# Altium PCB Mixed Signal Board Project.PcbDoc (part 1 of 3)
Units mm, origin at the board's own origin, x right, y up, seen from the top; angles counter-clockwise.
Board outline 80.01 x 80.01 mm, 4 copper layers (Top Layer1, Layer 1, Layer 2, Bottom Layer), stack 1.371 mm thick; 190 components, 145 nets, 742 pads, 573 vias.
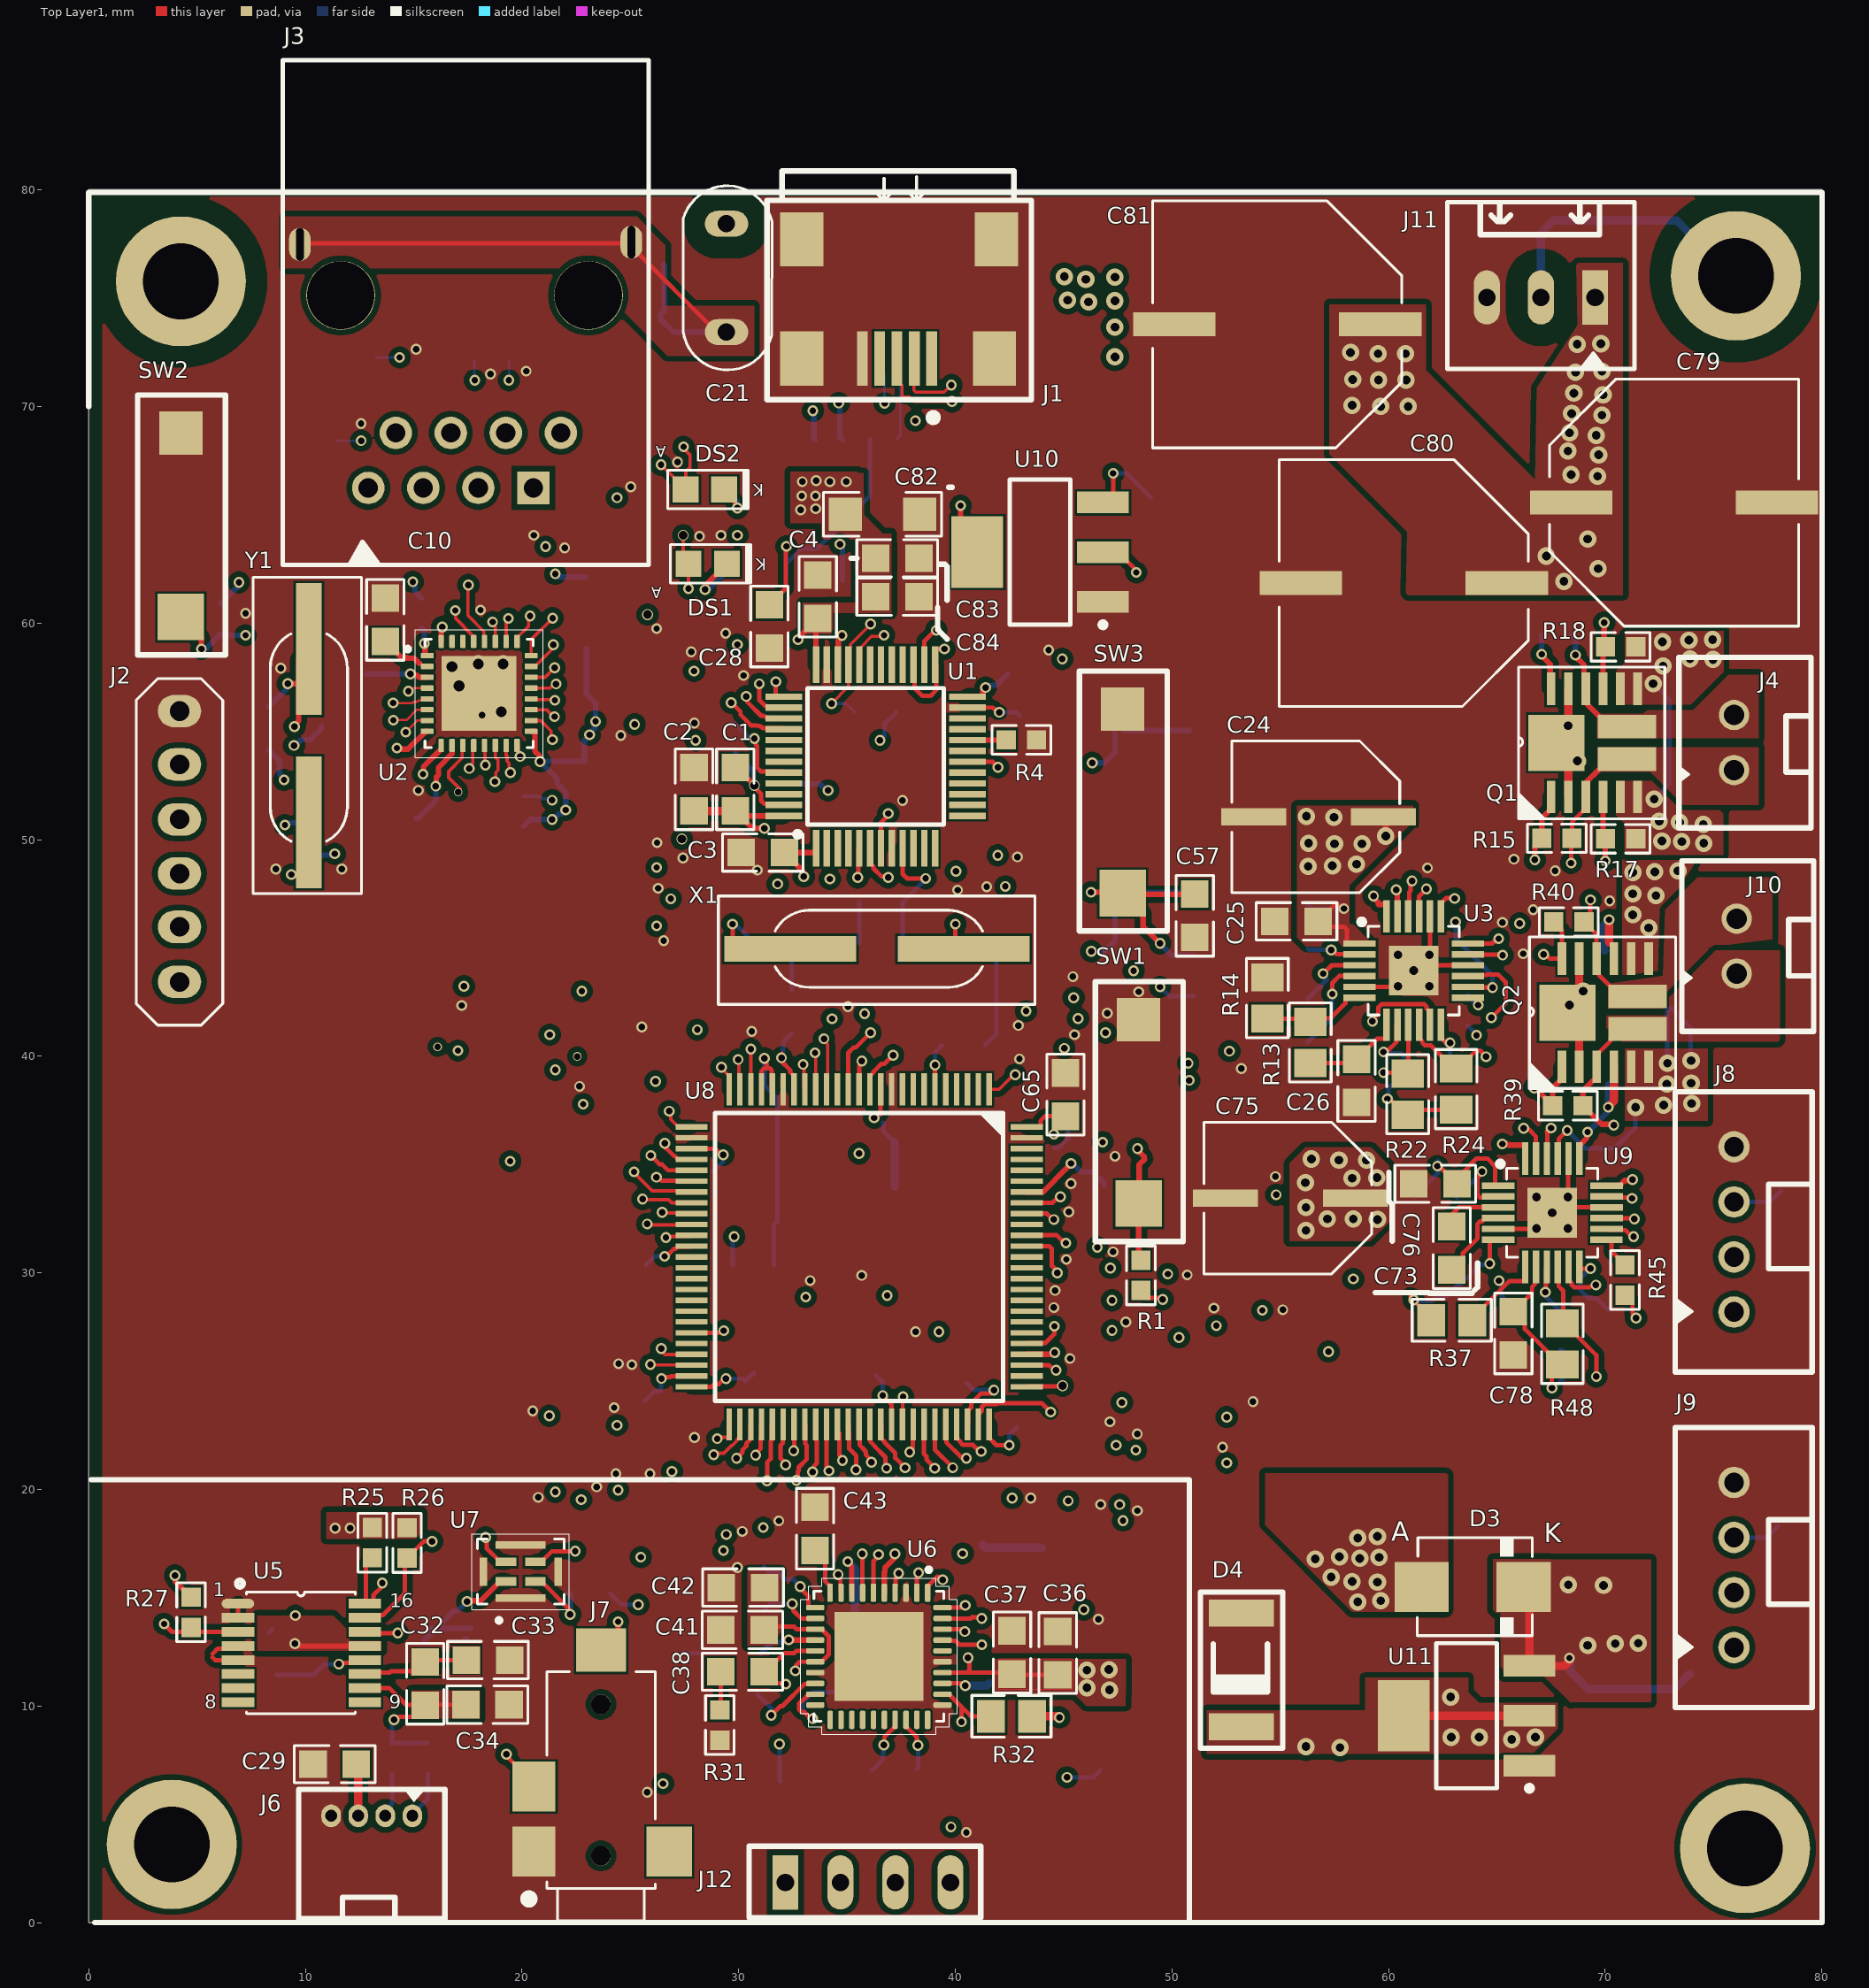
[diagram p0: Top Layer1 view]
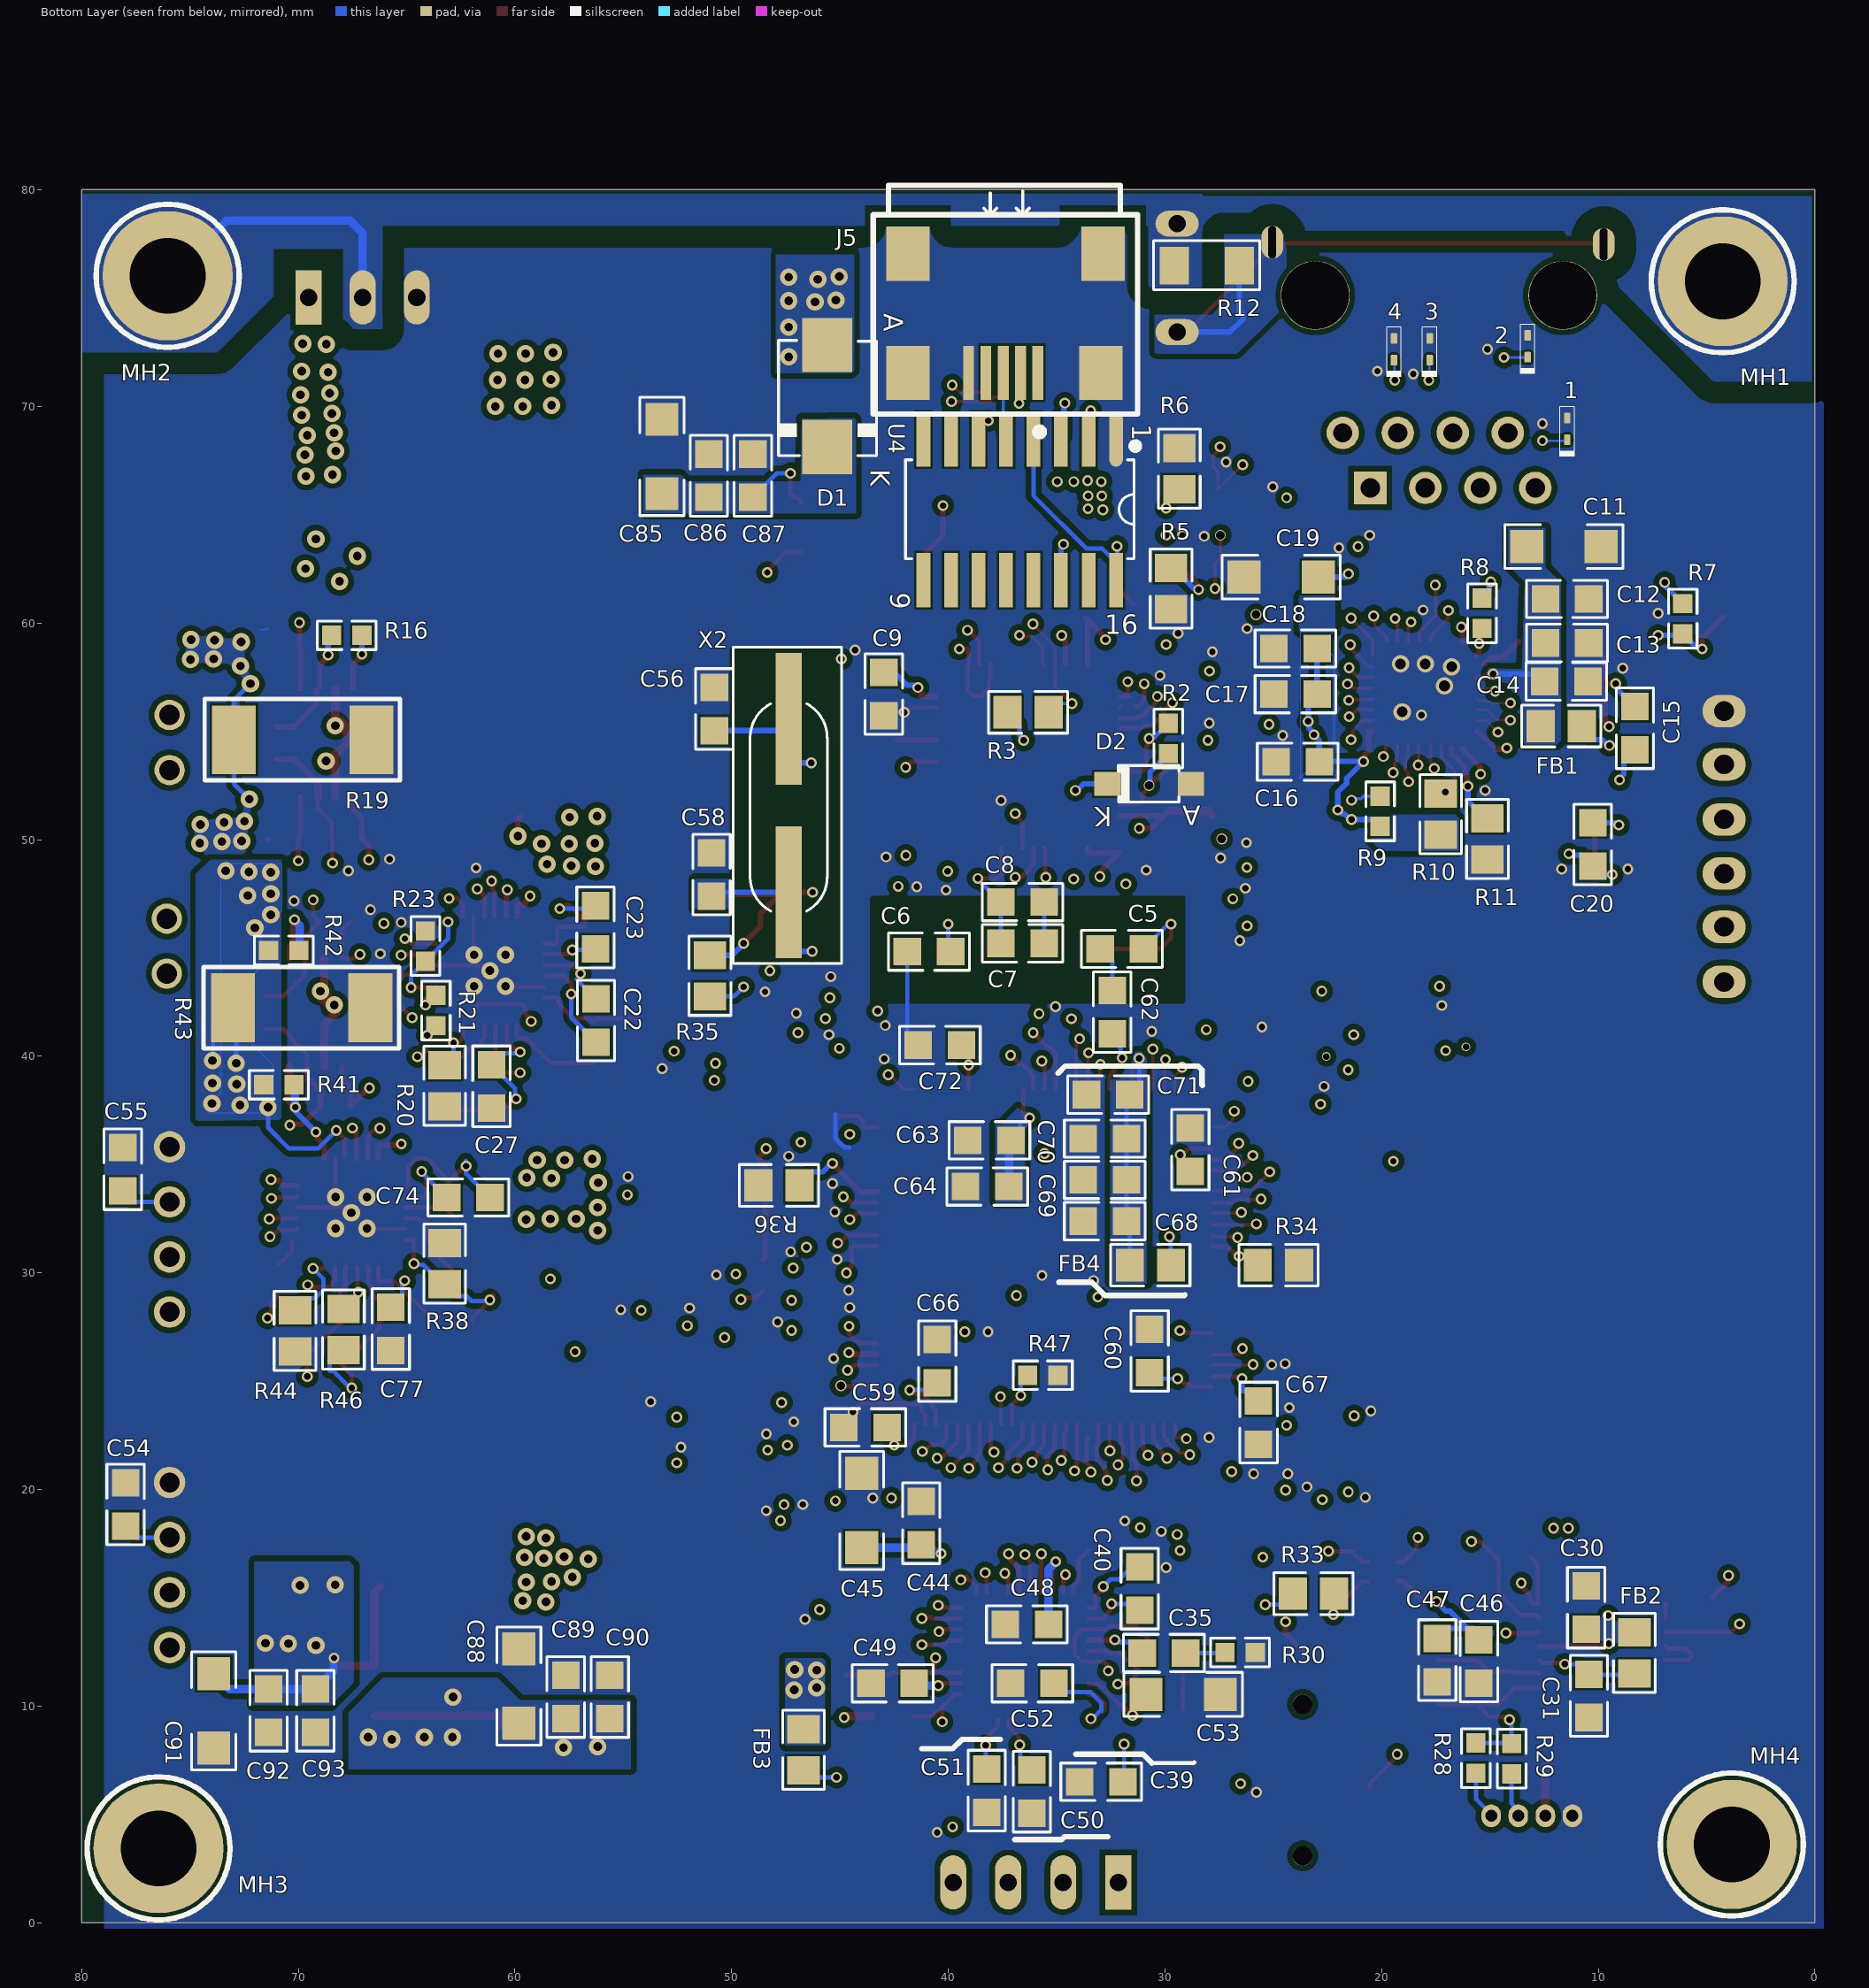
[diagram p1: Bottom Layer view, seen from below]
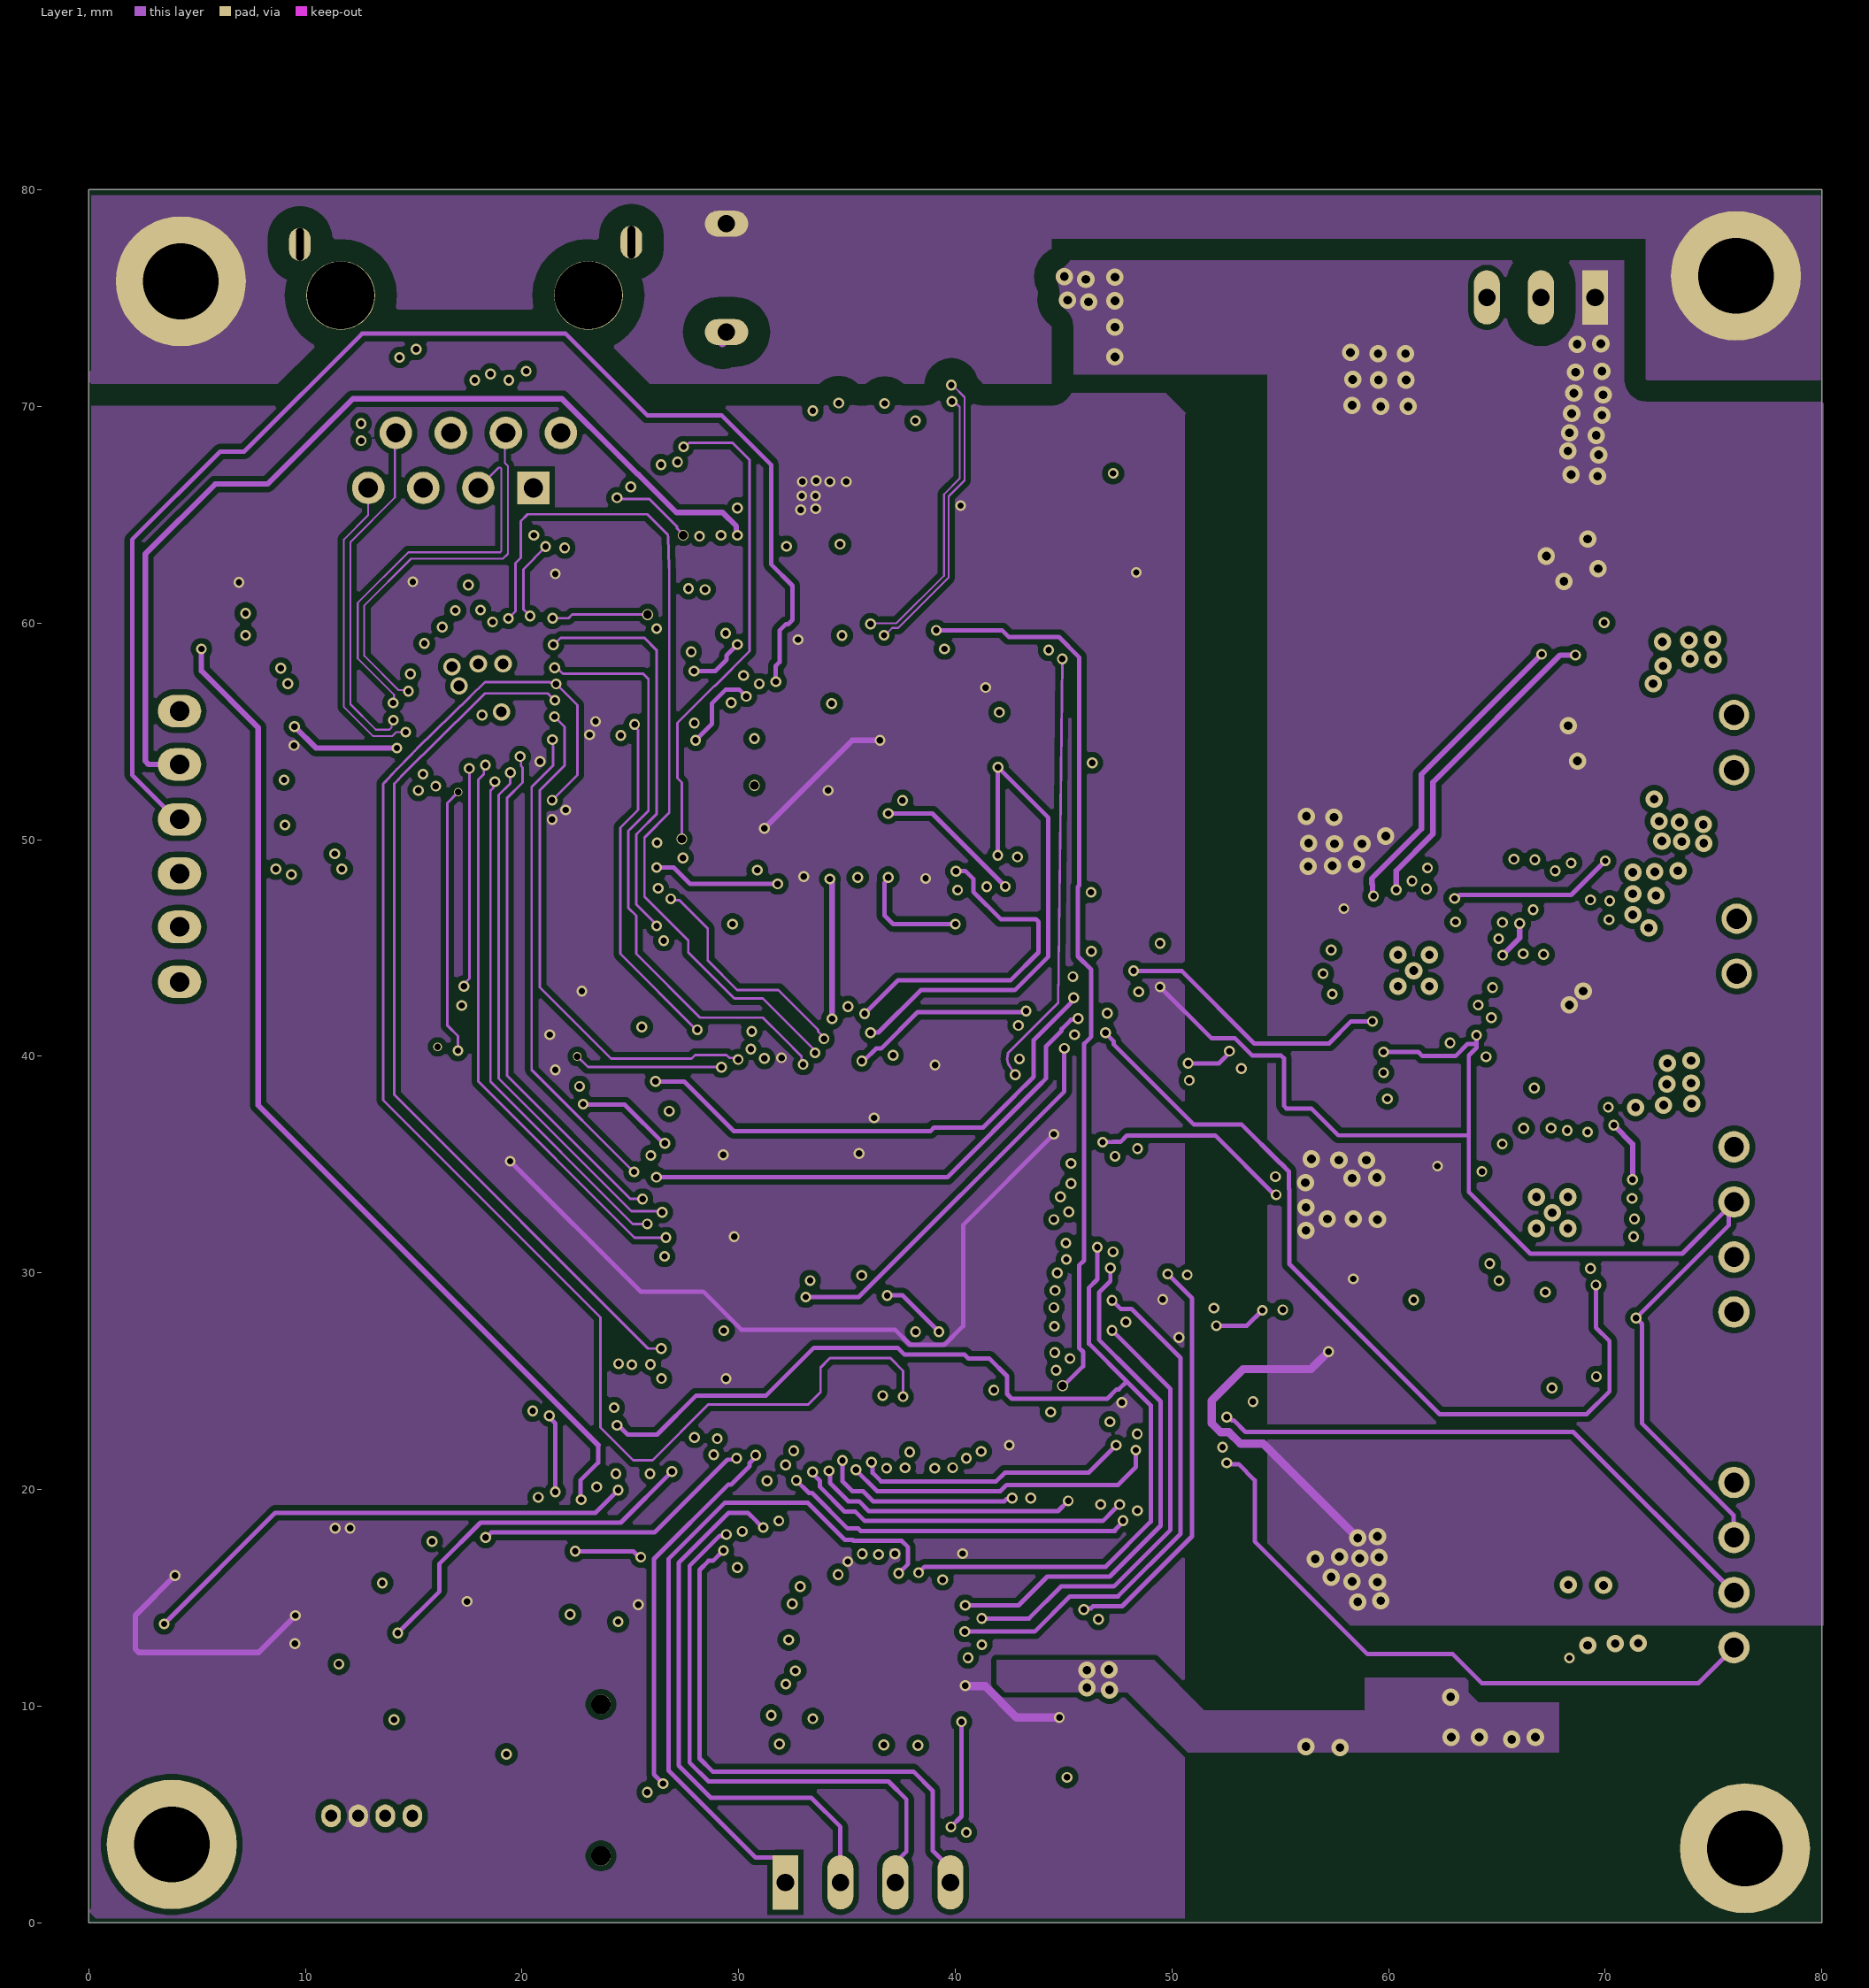
[diagram p2: Layer 1]